# KiCad board Entrex Trapezoid Keyboard - Typewriter.kicad_pcb
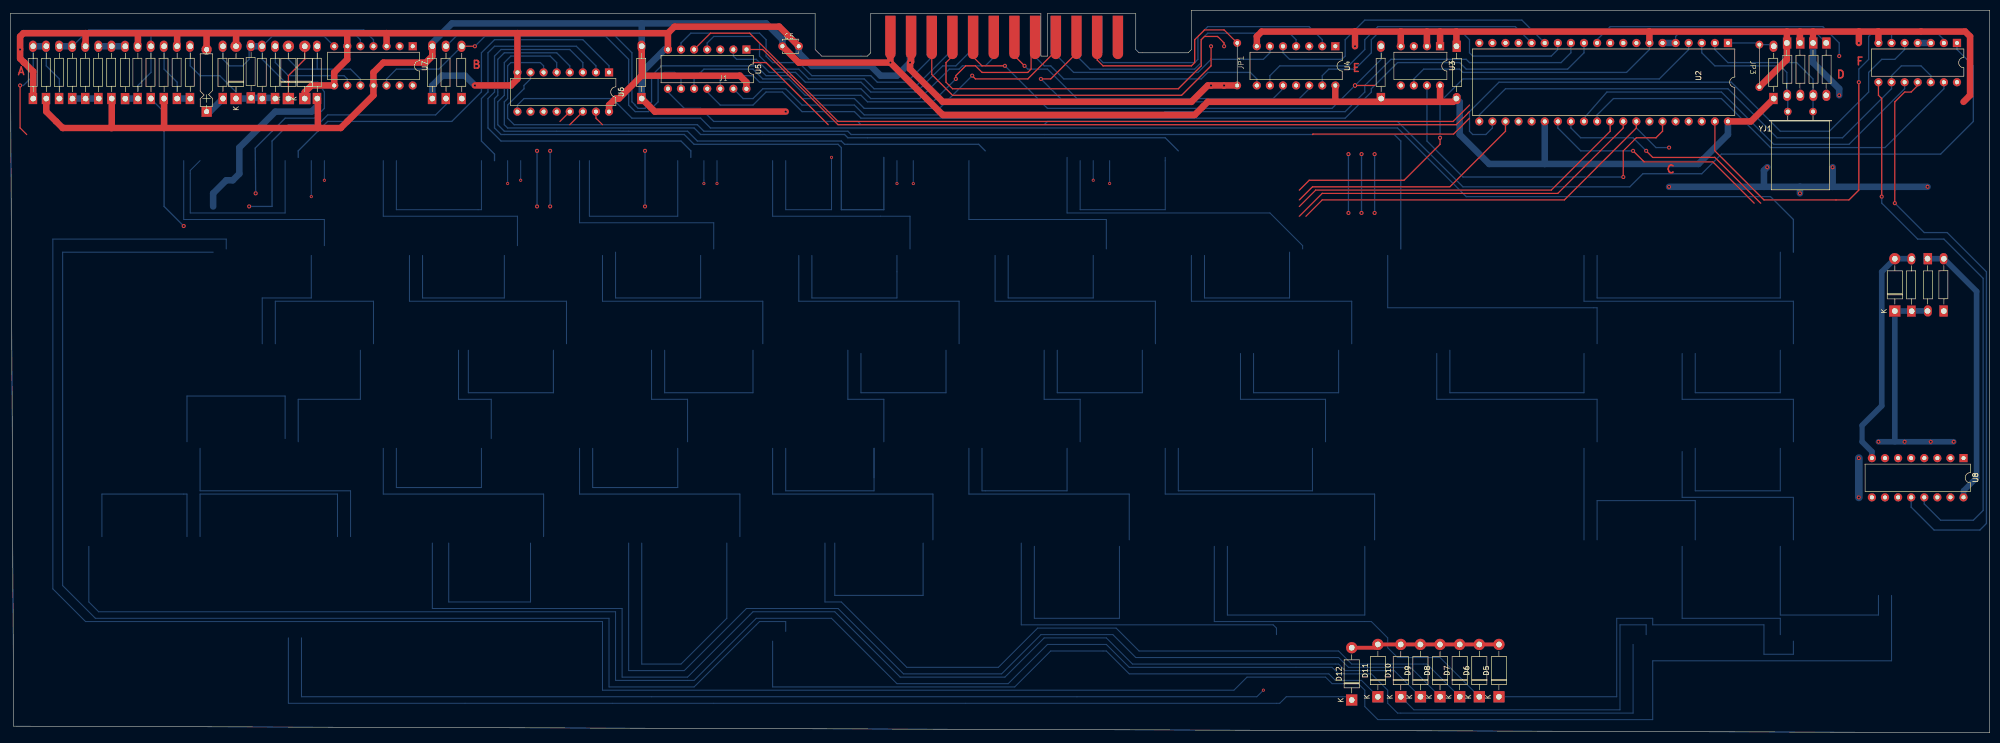
[diagram p0: board, top side]
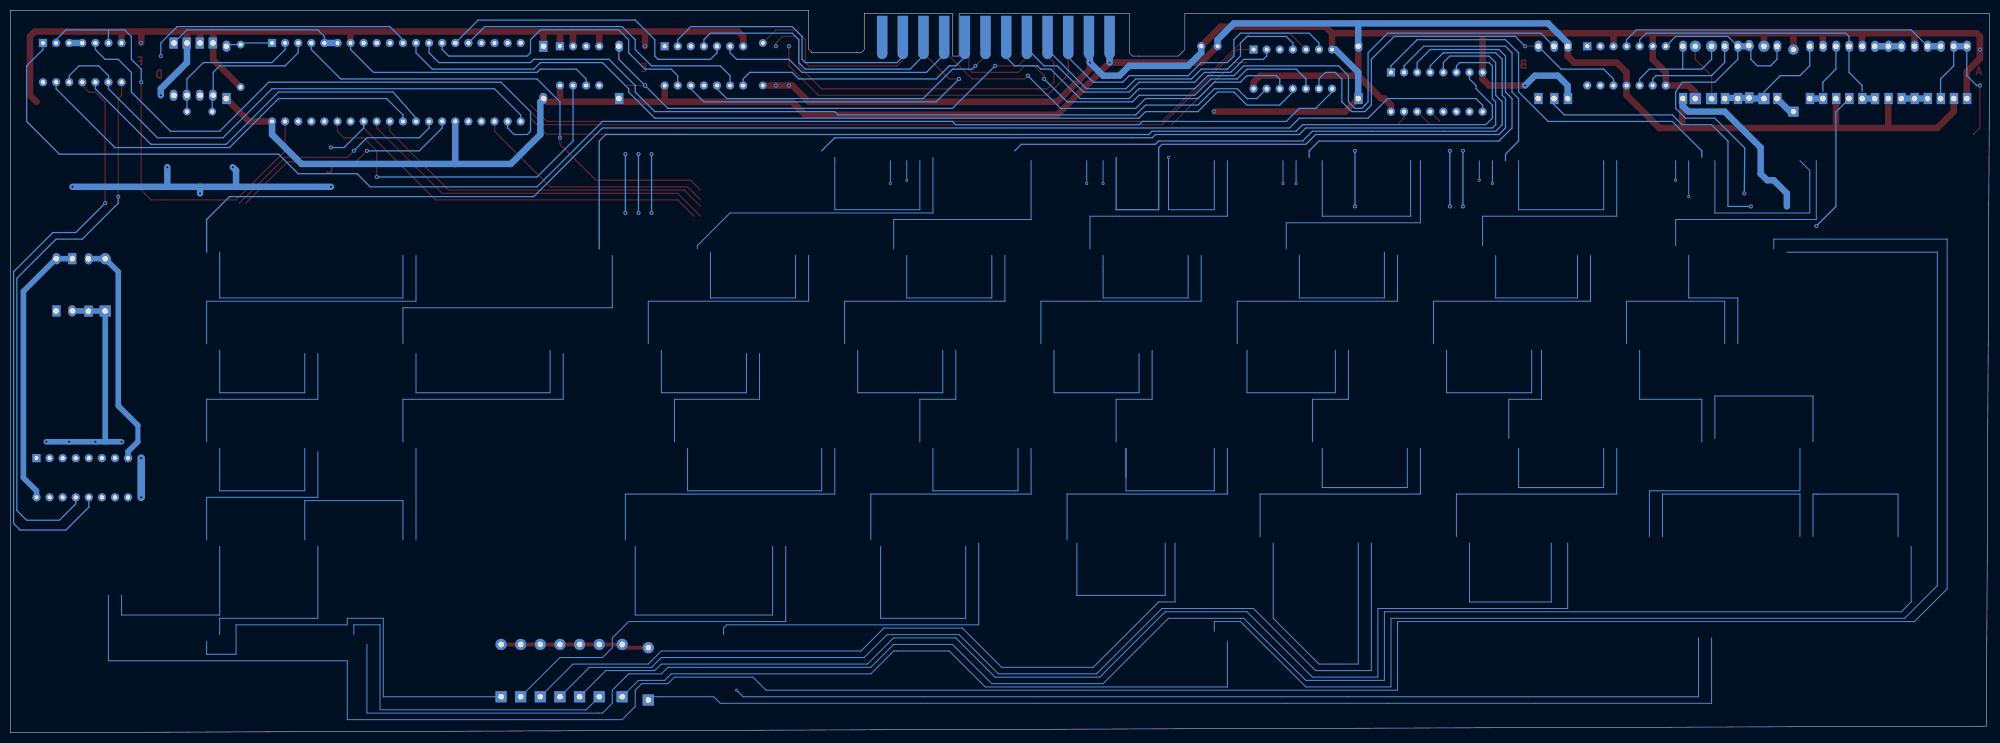
[diagram p1: board, bottom side, seen from below]

Outline 384.18 x 140.34 mm; copper layers: Top, Bottom. Coordinates in mm from the lower left corner of the outline.
Outline path: 0,139.7 156.21,139.7 156.21,132.72 157.48,131.44 166.37,131.44 167,132.08 167,139.7 200.03,139.7 200.03,131.44 201.29,131.44 201.29,139.7 218.44,139.7 218.44,132.72 219.07,132.08 228.6,132.08 229.24,132.72 229.24,140.34 384.18,140.34 384.18,0 0.63,1.27 0,139.7

## Placement (name value [footprint] x y rotation side)
C1  C  [Resistor-Cap-P10.16mm_Horizontal]  349.88 133.99 270 top
C2  C  [Resistor-Cap-P10.16mm_Horizontal]  347.35 133.99 270 top
C3  C  [Resistor-Cap-P10.16mm_Horizontal]  344.81 133.99 270 top
C4  C  [Resistor-Cap-P10.16mm_Horizontal]  280.67 133.35 270 top
C5  C  [Disc Capacitor Entrex Trapezoid .125]  151.13 133.35 0 top
C6  C  [Resistor-Cap-P10.16mm_Horizontal]  122.56 123.19 90 top
C7  C  [Resistor-Cap-P10.16mm_Horizontal]  81.92 123.19 90 top
C8  C  [Resistor-Cap-P10.16mm_Horizontal]  48.89 123.19 90 top
C9  C  [CAP Medium Polarized]  38.1 115.57 90 top
C10  C  [Resistor-Cap-P10.16mm_Horizontal]  24.77 123.19 90 top
C11  C  [Resistor-Cap-P10.16mm_Horizontal]  9.52 123.19 90 top
C12  C  [Resistor-Cap-P10.16mm_Horizontal]  4.45 123.19 90 top
C13  C  [Resistor-Cap-P10.16mm_Horizontal]  375.29 81.92 90 top
C14  C  [Resistor-Cap-P10.16mm_Horizontal]  369.03 81.89 90 top
D1  1N4004  [D_DO-41_SOD81_P10.16mm_Horizontal]  57.15 123.19 90 top
D2  1N4004  [D_DO-41_SOD81_P10.16mm_Horizontal]  53.97 123.19 90 top
D3  1N4004  [D_DO-41_SOD81_P10.16mm_Horizontal]  43.81 123.19 90 top
D4  1N4004  [D_DO-41_SOD81_P10.16mm_Horizontal]  365.76 81.92 90 top
D5  1N4004  [D_DO-41_SOD81_P10.16mm_Horizontal]  288.93 6.99 90 top
D6  1N4004  [D_DO-41_SOD81_P10.16mm_Horizontal]  285.12 6.99 90 top
D7  1N4004  [D_DO-41_SOD81_P10.16mm_Horizontal]  281.31 6.99 90 top
D8  1N4004  [D_DO-41_SOD81_P10.16mm_Horizontal]  277.5 6.99 90 top
D9  1N4004  [D_DO-41_SOD81_P10.16mm_Horizontal]  273.69 6.99 90 top
D10  1N4004  [D_DO-41_SOD81_P10.16mm_Horizontal]  269.88 6.99 90 top
D11  1N4004  [D_DO-41_SOD81_P10.16mm_Horizontal]  265.43 6.99 90 top
D12  1N4004  [D_DO-41_SOD81_P10.16mm_Horizontal]  260.35 6.35 90 top
J1  Conn_02x12_Top_Bottom  [Card_Edge_Entrex_Trapezoid Keyboard]  170.81 130.81 0 top
JP1  Jumper_2_Bridged  [Wire Jumper 0.325in]  240.67 130.18 90 top
JP3  Jumper_2_Bridged  [Wire Jumper 0.325in]  336.93 129.22 270 top
R1  R  [Resistor-Cap-P10.16mm_Horizontal]  352.43 133.99 270 top
R2  R  [Resistor-Cap-P10.16mm_Horizontal]  342.26 123.19 90 top
R3  R  [Resistor-Cap-P10.16mm_Horizontal]  266.06 123.19 90 top
R4  R  [Resistor-Cap-P10.16mm_Horizontal]  84.57 123.19 90 top
R5  R  [Resistor-Cap-P10.16mm_Horizontal]  87.63 123.19 90 top
R6  R  [Resistor-Cap-P10.16mm_Horizontal]  59.58 123.19 90 top
R7  R  [Resistor-Cap-P10.16mm_Horizontal]  51.44 123.19 90 top
R8  R  [Resistor-Cap-P10.16mm_Horizontal]  46.74 123.32 90 top
R9  R  [Resistor-Cap-P10.16mm_Horizontal]  41.28 123.19 90 top
R10  R  [Resistor-Cap-P10.16mm_Horizontal]  34.92 123.19 90 top
R11  R  [Resistor-Cap-P10.16mm_Horizontal]  32.39 123.19 90 top
R12  R  [Resistor-Cap-P10.16mm_Horizontal]  29.84 123.19 90 top
R13  R  [Resistor-Cap-P10.16mm_Horizontal]  27.3 123.19 90 top
R14  R  [Resistor-Cap-P10.16mm_Horizontal]  22.32 123.17 90 top
R15  R  [Resistor-Cap-P10.16mm_Horizontal]  19.69 123.19 90 top
R16  R  [Resistor-Cap-P10.16mm_Horizontal]  17.15 123.19 90 top
R17  R  [Resistor-Cap-P10.16mm_Horizontal]  14.6 123.19 90 top
R18  R  [Resistor-Cap-P10.16mm_Horizontal]  12.06 123.19 90 top
R19  R  [Resistor-Cap-P10.16mm_Horizontal]  6.98 123.19 90 top
R20  R  [Resistor-Cap-P10.16mm_Horizontal]  372.11 92.09 270 top
U1  74LS00  [DIP-14_W7.62mm]  377.82 133.99 270 top
U2  8748  [DIP-40_W15.24mm]  333.38 133.99 270 top
U3  SN75453  [DIP-8_W7.62mm]  277.5 133.35 270 top
U4  74LS04  [DIP-14_W7.62mm]  257.18 133.35 270 top
U5  74LS04  [DIP-14_W7.62mm]  142.88 132.72 270 top
U6  7442  [DIP-16_W7.62mm]  116.21 128.27 270 top
U7  LM319  [DIP-14_W7.62mm]  78.11 133.35 270 top
U8  74LS145  [DIP-16_W7.62mm]  379.1 53.34 270 top
YJ1  Crystal KDS 6.000  [Crystal_HC18-U_Horizontal]  344.99 120.65 0 top

## Library data of the parts
C1-C14 = -: Description: Unpolarized capacitor
D1-D12 = -: Description: 400V 1A General Purpose Rectifier Diode, DO-41; Sim.Device: D; Sim.Pins: 1=K 2=A
J1 = -: Description: Generic connector, double row, 02x12, top/bottom pin numbering scheme (row 1: 1...pins_per_row, row2: pins_per_row+1 ... num_pins), script generated (kicad-library-utils/schlib/autogen/connector/); Field4: x
JP1 JP3 = -: Description: Jumper, 2-pole, closed/bridged
R1-R20 = -: Description: Resistor
U1 = -: Description: quad 2-input NAND gate
U2 = -: Description: i8748, MCS-48 8-bit Microcontroller with Internal EPROM, 1KB EPROM, 64B RAM, DIP-40
U3 = -: Description: Precision Timers, 555 compatible, SOIC-8
U4 U5 = -: Description: Hex Inverter
U7 = -: Description: High Speed Dual Comparator, DIP-14/SOIC-14
U8 = -: Description: Decoder 1 to 10, Open Collector
YJ1 = -: Description: Two pin crystal

## Footprints (pads in the part's own frame, mm; a bottom-side part is the same pattern mirrored in y, then rotated)
CAP Medium Polarized
  rect 2x2 hole 1: 1(5.08,0)
  oval 2x2 hole 1: 2(17.145,0)
Card_Edge_Entrex_Trapezoid Keyboard
  custom 2.032x7.4 smd: 1(0,4.763) 2(4.013,4.763) 3(8.026,4.763) 4(12.04,4.763) 5(16.053,4.763) 6(20.066,4.763) 7(24.079,4.763) 8(28.092,4.763) 9(32.106,4.763) 10(36.119,4.763) 11(40.132,4.763) 12(44.145,4.763)
  custom 2.032x7.4 smd far side: 13(0,4.763) 14(4.013,4.763) 15(8.026,4.763) 16(12.04,4.763) 17(16.053,4.763) 18(20.066,4.763) 19(24.079,4.763) 20(28.092,4.763) 21(32.106,4.763) 22(36.119,4.763) 23(40.132,4.763) 24(44.145,4.763)
Crystal_HC18-U_Horizontal
  round 1.5 hole 0.8: 1(0,0) 2(4.9,0)
D_DO-41_SOD81_P10.16mm_Horizontal
  rect 2.2x2.2 hole 1.1: 1(0,0)
  oval 2.2x2.2 hole 1.1: 2(10.16,0)
DIP-8_W7.62mm
  rect 1.6x1.6 hole 0.8: 1(0,0)
  oval 1.6x1.6 hole 0.8: 2(0,-2.54) 3(0,-5.08) 4(0,-7.62) 5(7.62,-7.62) 6(7.62,-5.08) 7(7.62,-2.54) 8(7.62,0)
DIP-14_W7.62mm
  rect 1.6x1.6 hole 0.8: 1(0,0)
  oval 1.6x1.6 hole 0.8: 2(0,-2.54) 3(0,-5.08) 4(0,-7.62) 5(0,-10.16) 6(0,-12.7) 7(0,-15.24) 8(7.62,-15.24) 9(7.62,-12.7) 10(7.62,-10.16) 11(7.62,-7.62) 12(7.62,-5.08) 13(7.62,-2.54) 14(7.62,0)
DIP-16_W7.62mm
  rect 1.6x1.6 hole 0.8: 1(0,0)
  oval 1.6x1.6 hole 0.8: 2(0,-2.54) 3(0,-5.08) 4(0,-7.62) 5(0,-10.16) 6(0,-12.7) 7(0,-15.24) 8(0,-17.78) 9(7.62,-17.78) 10(7.62,-15.24) 11(7.62,-12.7) 12(7.62,-10.16) 13(7.62,-7.62) 14(7.62,-5.08) 15(7.62,-2.54) 16(7.62,0)
DIP-40_W15.24mm
  rect 1.6x1.6 hole 0.8: 1(0,0)
  oval 1.6x1.6 hole 0.8: 2(0,-2.54) 3(0,-5.08) 4(0,-7.62) 5(0,-10.16) 6(0,-12.7) 7(0,-15.24) 8(0,-17.78) 9(0,-20.32) 10(0,-22.86) 11(0,-25.4) 12(0,-27.94) 13(0,-30.48) 14(0,-33.02) 15(0,-35.56) 16(0,-38.1) 17(0,-40.64) 18(0,-43.18) 19(0,-45.72) 20(0,-48.26) 21(15.24,-48.26) 22(15.24,-45.72) 23(15.24,-43.18) 24(15.24,-40.64) 25(15.24,-38.1) 26(15.24,-35.56) 27(15.24,-33.02) 28(15.24,-30.48) 29(15.24,-27.94) 30(15.24,-25.4) 31(15.24,-22.86) 32(15.24,-20.32) 33(15.24,-17.78) 34(15.24,-15.24) 35(15.24,-12.7) 36(15.24,-10.16) 37(15.24,-7.62) 38(15.24,-5.08) 39(15.24,-2.54) 40(15.24,0)
Disc Capacitor Entrex Trapezoid .125
  round 1.6 hole 0.8: 1(-1.27,0) 2(1.905,0)
Resistor-Cap-P10.16mm_Horizontal
  rect 2.18x1.65 hole 1.1: 1(0,0)
  oval 2.2x1.54 hole 1.1: 2(10.16,0)
Wire Jumper 0.325in
  round 1.524 hole 0.762: 1(-4.445,2.54) 2(3.81,2.54)

## Nets
-12v(J1_N): J1.12
GND: C1.1 C2.1 C3.1 C4.1 C5.2 C6.1 C7.1 C9.2 C10.2 C12.1 C14.2 D1.1 D3.2 D4.2 J1.2 J1.14 JP1.1 JP3.2 R11.2 R17.2 U1.7 U2.7 U2.20 U3.1 U3.2 U3.4 U3.6 U4.7 U5.7 U6.8 U7.3 U7.6 U7.8 U8.8
VCC: C4.2 C5.1 C6.2 C7.2 C13.2 J1.1 J1.13 R2.1 R3.1 R6.1 R12.1 R15.1 R19.1 R20.1 U1.14 U2.26 U2.40 U3.8 U4.14 U5.14 U6.16 U7.11 U8.16
ALE: U2.11
Ax: C11.1 C12.2 R19.2
D1-D2: D1.2 D2.1
DB.0: U2.12 U5.11
DB.1: U2.13 U5.13
DB.2: U2.14 U4.13
DB.3: U2.15 U4.5
DB.4: U2.16 U4.9
DB.5: U2.17
DB.6: U2.18
DB.7: U2.19
J1_3: J1.15 U5.6
J1_4: J1.16 U5.4
J1_5: J1.17 U5.2
J1_6: J1.18 R4.2
J1_7: J1.19
J1_8: J1.20 U4.8
J1_9: J1.21 U4.6
J1_10: J1.22 U4.4
J1_11: J1.23 U4.2
J1_12: J1.24
J1_C: J1.3
J1_D: J1.4
J1_E: J1.5 R3.2
J1_F: J1.6
J1_H: J1.7 U4.10
J1_J: J1.8 U5.10
J1_K: J1.9 U5.12
J1_L: J1.10 U4.12
J1_M: J1.11 JP1.2
P1.0: U2.27
P1.1: U2.28
P1.2: U1.10 U2.29
P1.3: U1.13 U2.30
P1.4: U2.31
P1.5: U2.32
P1.6: U2.33
P1.7: U2.34
P2.0: U1.9 U1.12 U2.21
P2.1: U1.5 U2.22
P2.2: U2.23
P2.3: U2.24
P2.4: U2.35 U3.7
P2.5: U2.36
P2.6: U2.37
P2.7: U2.38
PROG: U2.25
T0: JP3.1 R2.2 U2.1
T1: U1.2 U1.6 U2.39
U1_1: U1.1 U5.8
U1_3: U1.3 U1.4
U1_8: U1.8 U8.13
U1_11: U1.11 U8.12
U3_3: U3.3
U3_5: U3.5
U4_1: U4.1
U4_3: U4.3
U4_11: U4.11
U5_1: U5.1
U5_3: U5.3
U5_5: U5.5
U5_9: R5.2 U5.9 U7.12
U6_1: U6.1
U6_2: U6.2
U6_3: U6.3
U6_4: U6.4
U6_5: U6.5
U6_6: U6.6
U6_7: U6.7
U6_9: U6.9
U6_10: U6.10
U6_11: U6.11
U6_12: U6.12
U6_13: U6.13
U6_14: U6.14
U6_15: U6.15
U7_4: C11.2 R18.2 U7.4
U7_5: R13.2 U7.5
U7_7: C8.2 R8.2 R9.2 U7.7
U7_9: R7.2 U7.9
U7_10: D2.2 R6.2 U7.10
U8_1: U8.1
U8_2: U8.2
U8_3: U8.3
U8_4: U8.4
U8_5: U8.5
U8_6: U8.6
U8_7: U8.7
U8_9: U8.9
U8_10: U8.10
U8_11: U8.11
U8_14: U8.14
U8_15: U8.15
X1: C1.2 U2.2 YJ1.2
X2: C3.2 U2.3 YJ1.1
~{INT}: R1.1 U2.5 U2.6
~{PESN}: U2.9
~{RD}: U2.8
~{RESET}: U2.4
~{RW}: U2.10
Net-(C9-Pad1): C9.1 R9.1
Net-(C10-Pad1): C10.1 R14.1
Net-(D3-K): C8.1 D3.1 R7.1 R8.1 R10.2
Net-(D4-K): C14.1 D4.1 R20.2
Net-(D10-A): D5.2 D6.2 D7.2 D8.2 D9.2 D10.2 D11.2 D12.2
Net-(R10-Pad1): R10.1 R11.1
Net-(R14-Pad2): R14.2 R15.2 R16.2
Net-(R16-Pad1): R16.1 R17.1 R18.1

Pads without a net: C2 2; C13 1; D5 1; D6 1; D7 1; D8 1; D9 1; D10 1; D11 1; D12 1; R1 2; R4 1; R5 1; R12 2; R13 1; U7 1 2 13 14

## Via types
v1: diameter 0.8, hole 0.4, Top to Bottom, 57 vias
v2: diameter 0.6, hole 0.3, Top to Bottom, 12 vias

## Routing (per net, layer and track width the routed paths; a pad name or vN(x,y) marks a point on that pad's centre or on a via; arc(x,y) is an arc through that point)
GND: length 682.5
  Top w1.27: 274.95,136.21 U3.2 ; 274.95,136.21 269.88,136.21 ; 274.95,136.21 277.5,136.21 ; D1.1 57.15,124.41 58.47,125.73 62.86,125.73 62.86,128.27 65.41,130.81 U7.6 65.41,135.89 ; 277.5,136.21 U3.1 ; 277.5,136.21 280.67,136.21 ; 127.63,135.89 U5.7 ; 127.63,135.89 128.91,137.16 149.22,137.16 C5.2 ; 127.63,135.89 98.43,135.89 ; v1(150.5,120.65) 125.09,120.65 C6.1 ; 24.77,135.89 C10.2 ; 24.77,135.89 32.39,135.89 ; 24.77,135.89 14.6,135.89 ; 344.81,136.21 C3.1 344.81,130.75 JP3.2 ; 344.81,136.21 347.35,136.21 ; 344.81,136.21 318.13,136.21 ; 14.6,135.89 R17.2 ; 14.6,135.89 2.54,135.89 1.91,135.25 v1(1.91,132.72) 1.91,130.97 2.61,130.27 2.65,130.2 2.72,130.16 4.45,128.43 C12.1 ; 318.13,136.21 U2.7 ; 318.13,136.21 280.67,136.21 ; 347.35,136.21 349.88,136.21 ; 347.35,136.21 C2.1 ; 349.88,136.21 C1.1 ; 349.88,136.21 358.77,136.21 ; 65.41,135.89 43.81,135.89 ; 65.41,135.89 73.03,135.89 ; 43.81,135.89 38.1,135.89 ; 43.81,135.89 D3.2 ; U4.7 241.94,135.25 242.89,136.21 260.99,136.21 ; 260.99,136.21 v1(260.99,133.35) ; 260.99,136.21 269.88,136.21 ; 269.88,136.21 U3.4 ; 362.58,136.21 379.41,136.21 380.37,135.25 380.37,123.83 379.1,122.56 ; 362.58,136.21 U1.7 ; 362.58,136.21 358.77,136.21 ; 98.43,135.89 73.03,135.89 ; 98.43,135.89 U6.8 98.43,127 97.16,125.73 v1(90.17,125.73) ; 73.03,135.89 U7.3 ; 280.67,136.21 C4.1 ; 38.1,135.89 32.39,135.89 ; 38.1,135.89 C9.2 ; 32.39,135.89 R11.2 ; 358.77,136.21 v1(358.77,133.99) ; J1.2 174.83,130.38 v1(174.62,130.18) 174.62,128.91 180.97,122.56 229.24,122.56 232.41,125.73 v1(233.05,125.73) v1(235.58,125.73) JP1.1
  Bottom w0.25: U2.7 318.13,132.72 313.69,128.27 281.94,128.27 281.31,128.91 274.32,128.91 272.42,127 272.42,125.73 ; C14.2 368.95,92.06 368.94,92.08
  Bottom w1: 359.41,56.52 359.41,59.69
  Bottom w1.1: 359.41,56.52 361.31,54.61 361.31,53.34 ; 359.41,59.69 363.22,63.5 363.22,89.53 D4.2 369.01,92.08 C14.2
  Bottom w1.27: C1.1 349.88,130.18 354.96,125.09 v1(354.96,123.83) ; v1(90.17,125.73) 88.27,127.63 83.82,127.63 81.92,125.73 C7.1 ; C6.1 122.56,128.27 127,132.72 U5.7 ; C5.2 153.03,132.08 155.57,129.54 167,129.54 168.91,127.63 172.09,127.63 v1(174.62,130.18) 174.62,135.57
VCC: length 549.1
  Top w1.27: U2.40 337.82,118.75 R2.1 ; R15.1 19.69,117.47 ; 19.69,117.47 10.16,117.47 6.98,120.65 R19.1 ; 19.69,117.47 29.84,117.47 ; 257.18,122.56 257.18,125.73 ; 257.18,122.56 277.5,122.56 ; 257.18,122.56 232.41,122.56 229.87,120.02 180.97,120.02 v1(170.81,130.18) ; 122.56,127.63 141.6,127.63 142.88,126.37 U5.14 ; 122.56,127.63 C6.2 ; 122.56,127.63 118.11,123.19 117.47,123.19 116.21,121.92 116.21,120.65 ; v1(170.81,130.18) J1.1 ; v1(170.81,130.18) 153.03,130.18 C5.1 ; 29.84,117.47 59.69,117.47 ; 29.84,117.47 R12.1 ; C4.2 280.04,122.56 277.5,122.56 ; 277.5,122.56 277.5,125.73 ; 59.69,117.47 59.69,123.08 R6.1 ; 59.69,117.47 64.14,117.47 70.48,123.83 70.48,128.27 72.39,130.18 80.64,130.18 81.92,131.44 C7.2
  Bottom w1.1: U8.16 379.1,46.99 381.63,49.53 381.63,85.72 C13.2 372.13,92.08 R20.1
  Bottom w1.27: 297.81,110.49 287.02,110.49 281.31,116.2 281.31,122.56 C4.2 ; 297.81,110.49 327.66,110.49 333.38,116.2 U2.40 ; 297.81,110.49 U2.26 ; R6.1 59.58,121.75 58.48,120.65 51.44,120.65 44.45,113.66 44.45,108.58 43.18,107.31 41.91,107.31 39.37,104.78 39.37,102.23 ; 122.56,137.8 C6.2 ; 122.56,137.8 146.69,137.8 149.86,134.62 C5.1 ; 122.56,137.8 85.72,137.8 81.92,133.99 C7.2 ; J1.1 v1(170.81,130.18)
(no net): length 4216.2
  Top w0.25: 158.75,118.11 146.69,130.18 144.15,130.18 ; 252.73,116.2 252.82,116.3 280.12,116.3 283.21,119.38
  Bottom w0.2: 36.83,55.25 36.83,46.99 66.04,46.99 66.04,38.1 ; 129.54,111.12 129.54,100.33 112.4,100.33 112.4,111.12 ; 250.82,93.98 250.82,94.61 244.48,100.97 205.1,100.97 205.1,111.76 ; 60.96,94.61 60.96,99.69 33.66,99.69 33.66,111.12 ; 146.05,75.56 146.05,83.82 114.94,83.82 114.94,92.71 ; v2(134.62,106.68) 134.62,111.12 ; 150.5,19.69 150.5,21.59 145.41,21.59 132.72,8.89 116.21,8.89 116.21,22.22 16.51,22.22 10.16,28.57 10.16,93.34 39.37,93.34 ; 63.5,38.1 63.5,46.35 36.83,46.35 36.83,38.1 ; 60.96,111.12 v2(60.96,107.31) ; 305.44,55.25 305.44,37.47 ; 362.58,26.67 362.58,22.86 343.54,22.86 343.54,36.19 ; 137.16,111.12 v2(137.16,106.68) ; 231.77,92.71 231.77,84.45 248.29,84.45 248.29,93.34 ; 346.07,56.52 346.07,64.77 324.49,64.77 324.49,73.66 ; 103.5,38.1 103.5,46.35 72.39,46.35 72.39,55.25 ; 147.96,111.12 147.96,100.33 174.62,100.33 174.62,93.98 ; 191.13,92.71 191.13,83.82 222.25,83.82 222.25,75.56 ; 212.72,93.98 212.72,99.69 186.06,99.69 186.06,111.12 ; 307.98,37.47 307.98,45.09 327.02,45.09 327.02,37.47 ; 67.94,74.3 67.94,64.77 55.88,64.77 55.88,56.52 ; 150.5,111.12 150.5,101.6 159.38,101.6 v2(159.38,111.76) ; 305.44,92.71 305.44,83.82 346.07,83.82 346.07,75.56 ; 252.73,55.25 252.73,46.99 226.69,46.99 226.69,55.25 ; 133.99,92.71 133.99,84.45 117.47,84.45 117.47,93.34 ; 51.44,75.56 51.44,83.82 70.48,83.82 70.48,75.56 ; 136.53,93.98 136.53,99.06 110.49,99.06 110.49,111.12 ; 186.06,55.25 186.06,46.35 217.17,46.35 217.17,37.47 ; 343.54,74.3 343.54,66.04 327.02,66.04 327.02,73.66 ; 88.9,74.3 88.9,66.04 105.41,66.04 105.41,74.3 ; 96.52,111.12 v2(96.52,106.68) ; 307.98,56.52 307.98,64.77 276.86,64.77 276.86,73.66 ; 15.24,36.19 15.24,25.4 17.15,23.5 117.47,23.5 117.47,10.16 132.72,10.16 144.78,22.22 159.38,22.22 172.09,9.53 193.68,9.53 201.29,17.15 212.72,17.15 217.17,12.7 256.54,12.7 257.81,11.43 264.16,11.43 267.33,8.25 267.33,5.72 269.24,3.81 314.96,3.81 314.96,17.15 ; 98.43,94.61 98.43,100.33 72.39,100.33 72.39,111.12 ; 307.98,92.71 307.98,84.45 343.54,84.45 343.54,93.34 ; 160.02,36.83 160.02,26.67 177.16,26.67 177.16,36.83 ; 113.03,55.25 113.03,47.62 129.54,47.62 129.54,55.25 ; 167.64,49.53 167.64,55.25 167.64,46.99 150.5,46.99 150.5,55.25 ; 77.47,92.71 77.47,83.82 107.95,83.82 107.95,75.56 ; 305.44,73.66 305.44,66.04 279.4,66.04 279.4,74.3 ; 127,74.3 127,66.04 144.15,66.04 144.15,74.3 ; 307.98,75.56 307.98,82.55 267.33,82.55 267.33,92.71 ; 34.29,56.52 34.29,65.41 53.34,65.41 53.34,57.15 ; 165.1,73.66 165.1,66.04 181.61,66.04 181.61,74.3 ; 48.89,75.56 48.89,84.45 58.42,84.45 58.42,92.71 ; 58.42,111.12 v2(58.42,104.14) ; 365.12,26.67 365.12,13.97 318.77,13.97 318.77,2.54 265.43,2.54 262.89,5.08 262.89,8.25 261.62,9.53 256.54,9.53 255.27,10.79 240.03,10.79 237.49,8.25 114.94,8.25 114.94,21.59 14.6,21.59 8.26,27.94 8.26,95.89 41.91,95.89 41.91,93.98 ; 346.07,37.47 346.07,45.72 324.49,45.72 324.49,54.61 ; 264.8,37.47 264.8,46.35 224.16,46.35 224.16,55.25 ; 238.76,73.66 238.76,64.77 255.27,64.77 255.27,56.52 ; 172.09,111.12 v2(172.09,106.68) ; 203.2,74.3 203.2,66.04 219.71,66.04 219.71,74.3 ; 74.93,55.25 74.93,47.62 91.44,47.62 91.44,55.25 ; 184.15,75.56 184.15,83.82 153.03,83.82 153.03,92.71 ; 74.93,111.12 74.93,101.6 91.44,101.6 91.44,111.12 ; 343.54,19.05 343.54,22.22 324.49,22.22 324.49,36.19 ; 87,74.3 87,64.77 93.34,64.77 93.34,57.15 ; 262.89,36.19 262.89,22.86 236.22,22.86 236.22,36.19 ; v2(243.2,8.25) 241.94,6.99 56.52,6.99 56.52,18.41 ; 213.36,111.12 v2(213.36,106.68) ; 224.16,111.76 224.16,101.6 207.65,101.6 207.65,111.12 ; 85.09,36.83 85.09,25.4 100.97,25.4 100.97,36.83 ; 200.66,74.3 200.66,64.77 207.65,64.77 207.65,56.52 ; 215.26,36.19 215.26,22.22 198.75,22.22 198.75,36.19 ; 99.06,111.12 v2(99.06,107.31) ; 245.75,19.05 245.75,20.32 245.11,20.96 196.22,20.96 196.22,36.83 ; 17.78,38.1 17.78,46.35 34.29,46.35 34.29,38.1 ; 175.26,111.12 v2(175.26,106.68) ; 139.06,36.83 139.06,22.22 130.18,13.34 122.56,13.34 122.56,36.83 ; 110.49,55.25 110.49,46.35 141.6,46.35 141.6,38.1 ; 36.83,111.12 34.92,109.22 34.92,100.97 53.34,100.97 53.34,111.12 ; 229.24,92.71 229.24,83.82 260.35,83.82 260.35,75.56 ; 80.01,92.71 80.01,84.45 95.89,84.45 95.89,92.71 ; 210.19,92.71 210.19,84.45 193.68,84.45 193.68,92.71 ; 257.81,74.3 257.81,66.04 241.3,66.04 241.3,73.66 ; 205.1,55.25 205.1,46.99 188.59,46.99 188.59,55.25 ; 210.19,111.12 v2(210.19,107.31) ; 131.44,56.52 131.44,64.77 124.46,64.77 124.46,74.3 ; 172.09,92.71 172.09,84.45 155.57,84.45 155.57,92.71 ; 179.07,37.47 179.07,46.35 147.96,46.35 147.96,55.25 ; 327.02,55.25 327.02,46.99 343.54,46.99 343.54,55.25 ; 162.56,74.3 162.56,64.77 169.54,64.77 169.54,56.52
  Bottom w0.25: v1(123.19,113.03) v1(123.19,102.23) ; v1(262.25,112.4) v1(262.25,100.97) ; v1(264.8,112.4) v1(264.8,100.97) ; v1(102.24,113.03) v1(102.24,102.23) ; v1(259.71,112.4) v1(259.71,100.97) ; v1(104.78,113.03) v1(104.78,102.23)
  Bottom w1.27: 340.36,106.05 340.36,109.22 v1(341,109.86) ; 340.36,106.05 347.35,106.05 ; 340.36,106.05 v1(321.94,106.05) ; 353.69,106.05 v1(372.11,106.05) ; 353.69,106.05 347.35,106.05 ; 353.69,106.05 v1(353.69,109.86) ; 347.35,106.05 v1(347.35,104.78)
  Bottom w1.5: v1(358.77,53.34) v1(358.77,45.72)
ALE: length 52.5
  Bottom w0.25: U2.11 307.98,134.62 310.51,137.16 351.79,137.16 354.96,133.99 v1(354.96,131.44)
Ax: length 32.8
  Top w0.25: v1(1.91,125.73) 1.91,117.47 3.17,116.2
  Bottom w0.25: C12.2 4.45,127.63 2.54,125.73 v1(1.91,125.73) ; R19.2 6.98,129.54 9.52,127 C11.1
  Bottom w1.27: C12.2 R19.2
D1-D2: length 11.5
  Top w0.25: D1.2 57.15,130.81 53.97,127.63 D2.1
DB.0: length 183.6
  Bottom w0.25: U5.11 135.25,124.46 137.79,121.92 144.15,121.92 146.69,124.46 149.86,124.46 153.67,120.65 163.83,120.65 165.1,119.38 259.08,119.38 264.16,124.46 264.16,125.09 269.24,130.18 281.31,130.18 282.57,128.91 302.26,128.91 305.44,132.08 U2.12
DB.1: length 174.4
  Bottom w0.25: U5.13 142.24,123.19 144.15,123.19 146.05,125.09 150.5,125.09 153.67,121.92 163.83,121.92 165.74,120.02 223.52,120.02 224.16,120.65 259.08,120.65 262.89,124.46 262.89,125.73 267.97,130.81 282.57,130.81 283.21,130.18 300.99,130.18 302.89,132.08 U2.13
DB.2: length 58.2
  Bottom w0.25: U2.14 300.36,132.72 299.08,131.44 283.85,131.44 283.21,132.08 283.21,134.62 281.31,136.53 266.06,136.53 264.16,134.62 264.16,132.08 260.99,128.91 255.9,128.91 254.63,127.63 254.63,125.73
DB.3: length 59.5
  Bottom w0.25: U2.15 293.37,138.43 262.89,138.43 259.08,134.62 259.08,131.44 258.44,130.81 248.29,130.81 247.01,132.08 U4.5
DB.4: length 59.1
  Bottom w0.25: 244.48,125.73 244.48,127.63 246.38,129.54 259.71,129.54 262.89,132.72 262.89,134.62 265.43,137.16 292.1,137.16 U2.16
J1_3: length 62.9
  Bottom w0.25: J1.15 178.84,131.22 173.99,126.37 168.28,126.37 167,127.63 155.57,127.63 153.03,130.18 147.96,130.18 146.69,131.44 146.69,134.62 145.41,135.89 132.08,135.89 130.18,133.99 U5.6
J1_4: length 61.1
  Bottom w0.25: U5.4 135.25,133.99 136.53,135.25 144.15,135.25 145.41,133.99 145.41,131.44 147.96,128.91 153.03,128.91 154.94,127 165.74,127 167.64,125.09 175.26,125.09 182.85,132.69 J1.16
J1_5: length 56.9
  Bottom w0.25: U5.2 140.34,131.44 140.97,130.81 144.78,130.81 147.32,128.27 152.4,128.27 154.31,126.37 165.1,126.37 167,124.46 175.9,124.46 180.97,129.54 183.51,129.54 186.87,132.89 J1.17
J1_6: length 135.8
  Bottom w0.25: J1.18 190.88,131.19 189.23,129.54 184.78,129.54 184.15,128.91 182.25,128.91 176.53,123.19 167,123.19 165.1,125.09 154.31,125.09 151.76,127.63 146.69,127.63 144.78,129.54 126.37,129.54 124.46,127.63 124.46,122.56 123.19,121.28 121.85,121.28 121.28,121.85 121.28,121.92 120.65,122.56 120.65,132.08 116.84,135.89 87.11,135.89 R4.2
J1_8: length 51.4
  Bottom w0.25: 241.94,125.73 241.94,127 240.67,128.27 232.41,128.27 231.14,127 204.47,127 201.93,129.54 200.66,129.54 198.91,131.29 J1.20
J1_9: length 49.7
  Bottom w0.25: J1.21 202.92,131.72 206.38,128.27 230.5,128.27 233.05,130.81 243.2,130.81 244.48,132.08 U4.6
J1_10: length 55
  Bottom w0.25: U4.4 249.56,134.62 248.29,135.89 232.41,135.89 231.14,134.62 231.14,130.18 229.87,128.91 209.55,128.91 206.93,131.52 J1.22
J1_11: length 56.2
  Bottom w0.25: J1.23 210.95,131.32 212.09,130.18 229.87,130.18 230.5,130.81 230.5,135.25 232.41,137.16 252.1,137.16 254.63,134.62 U4.2
J1_C: length 69.8
  Top w0.25: v1(233.05,133.35) 233.05,129.54 227.33,123.83 182.88,123.83 178.84,127.86 J1.3
J1_D: length 72.6
  Top w0.25: v1(235.58,133.35) 235.58,133.99 234.31,135.25 231.77,135.25 231.14,134.62 231.14,129.54 226.69,125.09 182.88,125.09 181.61,126.37 181.61,130.18 182.85,131.42 J1.4
J1_E: length 101.6
  Top w0.25: v1(193.04,129.54) 188.59,129.54 186.87,131.27 J1.5 186.87,131.9 ; v1(260.99,125.73) 264.8,125.73
  Bottom w0.25: v1(193.04,129.54) 201.29,121.28 256.54,121.28 v1(260.99,125.73) 266.06,130.81 R3.2
J1_H: length 61.1
  Top w0.25: J1.7 194.89,131.5 v1(196.85,129.54)
  Bottom w0.25: v1(196.85,129.54) 197.49,128.91 201.29,128.91 207.01,123.19 245.11,123.19 247.01,125.09 247.01,125.73
J1_J: length 81.8
  Top w0.25: J1.8 198.12,134.79 198.12,128.91 197.49,128.27 188.59,128.27 187.32,129.54 185.42,129.54 183.51,127.63 v1(183.51,127)
  Bottom w0.25: U5.10 132.72,127 134.62,128.91 144.15,128.91 146.05,127 151.13,127 154.31,123.83 165.1,123.83 166.37,122.56 179.07,122.56 v1(183.51,127)
J1_K: length 78.2
  Top w0.25: v1(186.69,127.63) 187.32,127 197.49,127 202.92,132.44 J1.9
  Bottom w0.25: v1(186.69,127.63) 180.34,121.28 165.74,121.28 163.83,123.19 153.67,123.19 150.5,126.37 145.41,126.37 144.15,127.63 138.43,127.63 137.79,127 U5.12
J1_L: length 68.1
  Top w0.25: v1(200.03,127) 201.93,127 206.93,132 J1.10
  Bottom w0.25: v1(200.03,127) 204.47,122.56 249.56,122.56 252.1,125.09 252.1,125.73
J1_M: length 39.1
  Top w0.25: J1.11 210.95,130.68 212.09,129.54 229.24,129.54 229.87,130.18 229.87,134.62 231.77,136.53 235.58,136.53 JP1.2
P1.0: length 45.4
  Top w0.25: v1(314.96,113.03) 317.1,110.89 330.44,110.89 338.45,102.87
  Bottom w0.25: v1(314.96,113.03) 304.8,113.03 300.36,117.47 U2.27
P1.1: length 44.1
  Top w0.25: v1(317.5,113.03) 318.77,111.76 330.83,111.76 339.73,102.87
  Bottom w0.25: v1(317.5,113.03) 314.96,115.57 304.8,115.57 302.89,117.47 U2.28
P1.2: length 75.1
  Bottom w0.25: U2.29 305.44,119.38 309.88,124.46 332.11,124.46 342.26,114.3 356.87,114.3 367.67,125.09 367.67,126.37
P1.3: length 79.8
  Bottom w0.25: 375.29,126.37 375.29,125.09 363.86,113.66 341.63,113.66 332.11,123.19 311.15,123.19 307.98,120.02 U2.30
P1.4: length 68.3
  Top w0.25: 250.19,102.23 253.37,105.41 299.08,105.41 310.51,116.84 U2.31
P1.5: length 71.2
  Top w0.25: U2.32 313.06,117.47 300.36,104.78 254.63,104.78 250.19,100.33
P1.6: length 81.7
  Top w0.25: U2.33 315.6,117.47 301.62,103.5 254.63,103.5 251.46,100.33
  Bottom w0.25: v1(321.94,113.66) 319.4,113.66 315.6,117.47 U2.33
P2.0: length 104.3
  Bottom w0.25: U2.21 285.12,120.02 290.19,125.09 333.38,125.09 342.9,115.57 355.6,115.57 365.12,125.09 U1.9 365.12,127.63 367.03,129.54 370.84,129.54 372.75,127.63 U1.12
P2.1: length 111.2
  Bottom w0.25: U2.22 287.65,117.47 286.38,116.2 283.85,116.2 283.21,116.84 283.21,120.65 288.93,126.37 334.01,126.37 343.54,116.84 353.06,116.84 360.68,124.46 360.68,128.27 363.22,130.81 365.76,130.81 367.67,132.72 367.67,133.99
P2.2: length 47.4
  Top w0.25: U2.23 290.19,116.84 279.4,106.05 252.73,106.05 250.19,103.5
P2.4: length 68
  Top w0.25: U2.35 320.68,116.84 319.4,115.57 315.6,115.57 313.06,113.03 v1(313.06,107.95)
  Bottom w0.25: v1(313.06,107.95) 281.94,107.95 274.95,114.94 274.95,125.73
T0: length 9.2
  Bottom w0.25: R2.2 341.95,133.67 JP3.1 339.15,133.99 U2.1
T1: length 88.1
  Top w0.25: v1(358.77,126.37) 358.77,105.41 356.87,103.5 340.36,103.5 330.83,113.03 U2.39
  Bottom w0.25: 365.12,136.53 U1.6 ; 365.12,136.53 373.38,136.53 375.29,134.62 375.29,133.99 ; 365.12,136.53 361.95,136.53 360.68,135.25 360.68,130.81 358.77,128.91 v1(358.77,126.37)
U1_1: length 284
  Bottom w0.25: U1.1 377.82,132.72 381,129.54 381,118.75 374.65,112.4 332.11,112.4 328.3,108.58 316.87,108.58 314.32,106.05 281.94,106.05 269.24,118.75 201.29,118.75 200.66,118.11 165.1,118.11 164.47,118.75 136.53,118.75 133.99,121.28 130.81,121.28 127.63,124.46 U5.8
U1_3: length 2.5
  Bottom w1.27: U1.4 U1.3
U1_8: length 109.4
  Top w0.25: U1.8 362.58,123.83 363.22,123.19 v1(363.22,104.14)
  Bottom w0.25: U8.13 371.48,44.45 374.65,41.28 381,41.28 382.9,43.18 382.9,88.27 375.29,95.89 370.2,95.89 363.22,102.87 v1(363.22,104.14)
U1_11: length 117.2
  Top w0.25: v1(365.76,102.87) 365.76,122.56 367.67,124.46 368.94,124.46 370.2,125.73 U1.11
  Bottom w0.25: v1(365.76,102.87) 371.48,97.16 375.92,97.16 383.54,89.53 383.54,40.64 382.27,39.37 373.38,39.37 368.94,43.81 U8.12
U5_1: length 147.4
  Top w0.25: U5.1 146.05,132.72 160.65,118.11 280.67,118.11 283.21,120.65
U5_5: length 160.2
  Top w0.25: U5.5 135.89,135.89 143.51,135.89 160.66,118.75 280.04,118.75 283.21,121.92
U5_9: length 81.3
  Top w0.25: R5.2 v1(90.17,133.35)
  Bottom w0.25: v1(90.17,133.35) 92.08,135.25 115.57,135.25 120.01,130.81 120.01,121.92 121.28,120.65 123.82,120.65 125.73,122.56 125.73,127 127,128.27 128.91,128.27 130.18,127 U5.9 ; 73.03,125.73 73.03,127 74.93,128.91 83.19,128.91 R5.2
U6_1: length 78.4
  Bottom w0.25: 55.88,111.76 55.88,113.03 61.59,118.75 85.69,118.75 91.44,124.5 91.44,132.08 93.98,134.62 111.12,134.62 116.21,129.54 U6.1
U6_2: length 46.9
  Bottom w0.25: 93.98,111.12 93.98,112.4 91.44,114.94 91.44,123.19 92.71,124.46 92.71,132.08 93.98,133.35 109.85,133.35 113.66,129.54 U6.2
U6_3: length 77.6
  Bottom w0.25: 132.08,111.76 132.08,113.03 130.18,114.94 95.25,114.94 92.71,117.47 92.71,123.19 93.98,124.46 93.98,131.44 95.25,132.72 108.59,132.72 111.12,130.18 U6.3
U6_4: length 129.8
  Bottom w0.25: U6.4 108.59,129.54 106.04,132.08 95.89,132.08 94.61,130.81 94.61,123.83 93.98,123.19 93.98,117.47 95.25,116.2 130.81,116.2 132.72,114.3 160.66,114.3 161.29,113.66 161.29,101.6 169.54,101.6 169.54,111.76
U6_5: length 122.4
  Bottom w0.25: U6.5 106.04,130.18 104.78,131.44 97.16,131.44 95.89,130.18 95.89,123.83 94.61,122.56 94.61,118.11 95.89,116.84 131.44,116.84 133.35,114.94 161.29,114.94 161.93,114.3 187.96,114.3 189.23,113.03
U6_6: length 153.4
  Bottom w0.25: 226.69,113.03 224.16,115.57 162.56,115.57 161.93,116.2 133.99,116.2 132.72,117.47 96.52,117.47 95.89,118.11 95.89,122.56 96.52,123.19 96.52,129.54 97.16,130.18 102.87,130.18 103.5,129.54 U6.6
U6_7: length 206.9
  Bottom w0.25: 269.88,93.98 269.88,114.94 268.61,116.2 163.19,116.2 162.56,116.84 134.62,116.84 133.35,118.11 97.79,118.11 96.52,119.38 96.52,121.92 99.69,125.09 99.69,125.73 100.97,127 U6.7
U6_9: length 265.5
  Bottom w0.25: 346.07,93.34 346.07,99.69 341.63,104.14 282.57,104.14 269.24,117.47 135.89,117.47 133.99,119.38 120.65,119.38 116.84,123.19 99.69,123.19 98.43,121.92 98.43,120.65
U6_13: length 2.7
  Top w0.25: 108.59,120.65 106.68,118.75
U6_14: length 3.6
  Top w0.25: 111.12,120.65 108.59,118.11
U6_15: length 3.1
  Top w0.25: 114.94,118.11 113.66,119.38 113.66,120.65
U7_4: length 64.3
  Bottom w0.25: R18.2 15.24,136.53 68.58,136.53 70.48,134.62 U7.4
  Bottom w1.27: C11.2 R18.2
U7_5: length 54.4
  Bottom w0.25: U7.5 67.94,134.62 66.67,135.89 27.94,135.89 27.3,135.25 R13.2 27.3,128.27 24.77,125.73 24.77,124.62
U7_7: length 75.6
  Bottom w0.25: 48.89,133.22 48.89,130.81 53.34,126.37 59.69,126.37 60.96,124.46 60.96,121.28 59.06,119.38 53.34,119.38 47.53,113.58 v1(47.62,104.78) 47.53,104.78 ; R8.2 46.36,133.1 46.36,130.81 45.08,129.54 42.55,129.54 41.28,130.81 R9.2 ; C8.2 50.8,135.25 60.96,135.25 U7.7
  Bottom w1.27: 46.36,133.35 C8.2
U7_9: length 19.7
  Bottom w0.25: R7.2 51.44,130.18 53.97,127.63 64.77,127.63 65.41,127 65.41,125.73
U7_10: length 23.9
  Bottom w0.25: 59.69,128.91 59.58,129.02 R6.2 ; 59.69,128.91 66.04,128.91 67.94,127 67.94,125.73 ; 59.69,128.91 55.88,128.91 53.97,130.81 D2.2
X1: length 29
  Bottom w0.25: U2.2 330.83,132.72 333.38,130.18 346.71,130.18 349.88,127 C1.2 YJ1.2
X2: length 27.7
  Bottom w0.25: YJ1.1 344.99,123.65 C3.2 344.81,128.27 343.54,129.54 330.83,129.54 328.3,132.08 U2.3
~{INT}: length 34.6
  Bottom w0.25: U2.5 323.21,135.25 324.49,136.53 349.88,136.53 R1.1
  Bottom w1.27: U2.6 U2.5
~{RESET}: length 93
  Top w0.25: v1(277.5,115.57) 277.5,114.3 270.51,107.31 252.1,107.31 250.19,105.41
  Bottom w0.25: U2.4 325.75,132.72 320.04,127 281.94,127 277.5,122.56 v1(277.5,115.57)
Net-(C9-Pad1): length 4.2
  Bottom w1.27: R9.1 38.73,120.65 C9.1
Net-(C10-Pad1): length 2.5
  Bottom w1.27: 22.23,123.19 C10.1
Net-(D3-K): length 23.8
  Bottom w0.25: R10.2 34.92,129.54 36.83,127.63 40.64,127.63 43.81,124.46 D3.1
  Bottom w1.27: R7.1 51.31,123.32 R8.1 46.61,123.19 D3.1
Net-(D4-K): length 49.6
  Bottom w0.25: 369.01,81.92 C14.1 369.07,81.94 ; 365.76,56.52 v1(362.58,56.52)
  Bottom w1.1: v1(362.58,56.52) v1(367.67,56.52) v1(372.75,56.52) v1(377.19,56.52) ; 365.76,56.52 D4.1 369.01,81.92 ; R20.2 369.07,81.94
Net-(D10-A): length 28.8
  Top w0.75: D12.2 264.8,16.51 D11.2 D10.2 D9.2 D5.2
Net-(R10-Pad1): length 2.5
  Bottom w1.27: R11.1 R10.1
Net-(R14-Pad2): length 5.2
  Bottom w1.27: R14.2 22.3,133.35 R15.2 R16.2
Net-(R16-Pad1): length 5.2
  Bottom w1.27: 17.18,123.19 12.03,123.19
unconnected-(D5-K-Pad1): length 81.9
  Bottom w0.2: 346.07,17.78 346.07,15.24 340.36,15.24 340.36,20.96 318.77,20.96 318.77,22.22 311.79,22.22 311.79,6.99 D5.1
unconnected-(D6-K-Pad1): length 73.2
  Bottom w0.2: D6.1 277.5,14.6 269.24,14.6 267.33,16.51 267.33,18.41 264.16,21.59 233.68,21.59 233.68,36.19
unconnected-(D7-K-Pad1): length 148.6
  Bottom w0.2: D7.1 274.95,13.34 260.35,13.34 257.81,15.88 219.07,15.88 214.63,20.32 199.39,20.32 191.77,12.7 173.99,12.7 161.29,25.4 158.12,25.4 158.12,36.83
unconnected-(D8-K-Pad1): length 200.7
  Bottom w0.2: D8.1 271.78,12.7 259.71,12.7 257.81,14.6 218.44,14.6 214,19.05 200.03,19.05 192.41,11.43 173.35,11.43 160.66,24.13 142.88,24.13 130.81,12.06 120.01,12.06 120.01,36.83
unconnected-(D9-K-Pad1): length 236.2
  Bottom w0.2: D9.1 268.61,12.06 259.08,12.06 257.81,13.34 217.81,13.34 212.72,18.41 200.66,18.41 193.04,10.79 172.72,10.79 160.02,23.5 144.15,23.5 131.44,10.79 118.75,10.79 118.75,24.13 81.92,24.13 81.92,36.83
unconnected-(D10-K-Pad1): length 67.1
  Bottom w0.2: 317.5,19.05 317.5,20.96 312.42,20.96 312.42,4.44 272.42,4.44 D10.1
unconnected-(D11-K-Pad1): length 132.9
  Bottom w0.2: 147.96,17.78 147.96,8.89 194.94,8.89 201.93,15.88 212.72,15.88 217.17,11.43 255.9,11.43 257.18,10.16 262.25,10.16 D11.1
unconnected-(D12-K-Pad1): length 219.9
  Bottom w0.2: D12.1 259.71,6.99 247.65,6.99 246.38,5.72 53.97,5.72 53.97,18.41
unconnected-(R4-Pad1): length 55
  Bottom w0.25: v1(46.36,102.23) 50.8,102.23 50.8,114.94 53.97,118.11 59.69,118.11 61.59,120.02 82.55,120.02 84.57,122.03 R4.1
unconnected-(R12-Pad2): length 9.8
  Bottom w0.25: R12.2 29.84,128.91 32.39,126.37 32.39,124.62
unconnected-(R13-Pad1): length 27.4
  Bottom w0.25: v1(33.66,98.42) 29.84,102.23 29.84,120.65 29.77,120.65 27.3,123.12 R13.1

## Text on the board
User.Drawings: 10 11 12 | A  B  C  D  E  F  H  J  K  L  M  N | 1  2  3  4  5  6  7  8  9
Top: A | B | E | C | D | F
